# Allegro board balenaFin-PCB.brd (continued)
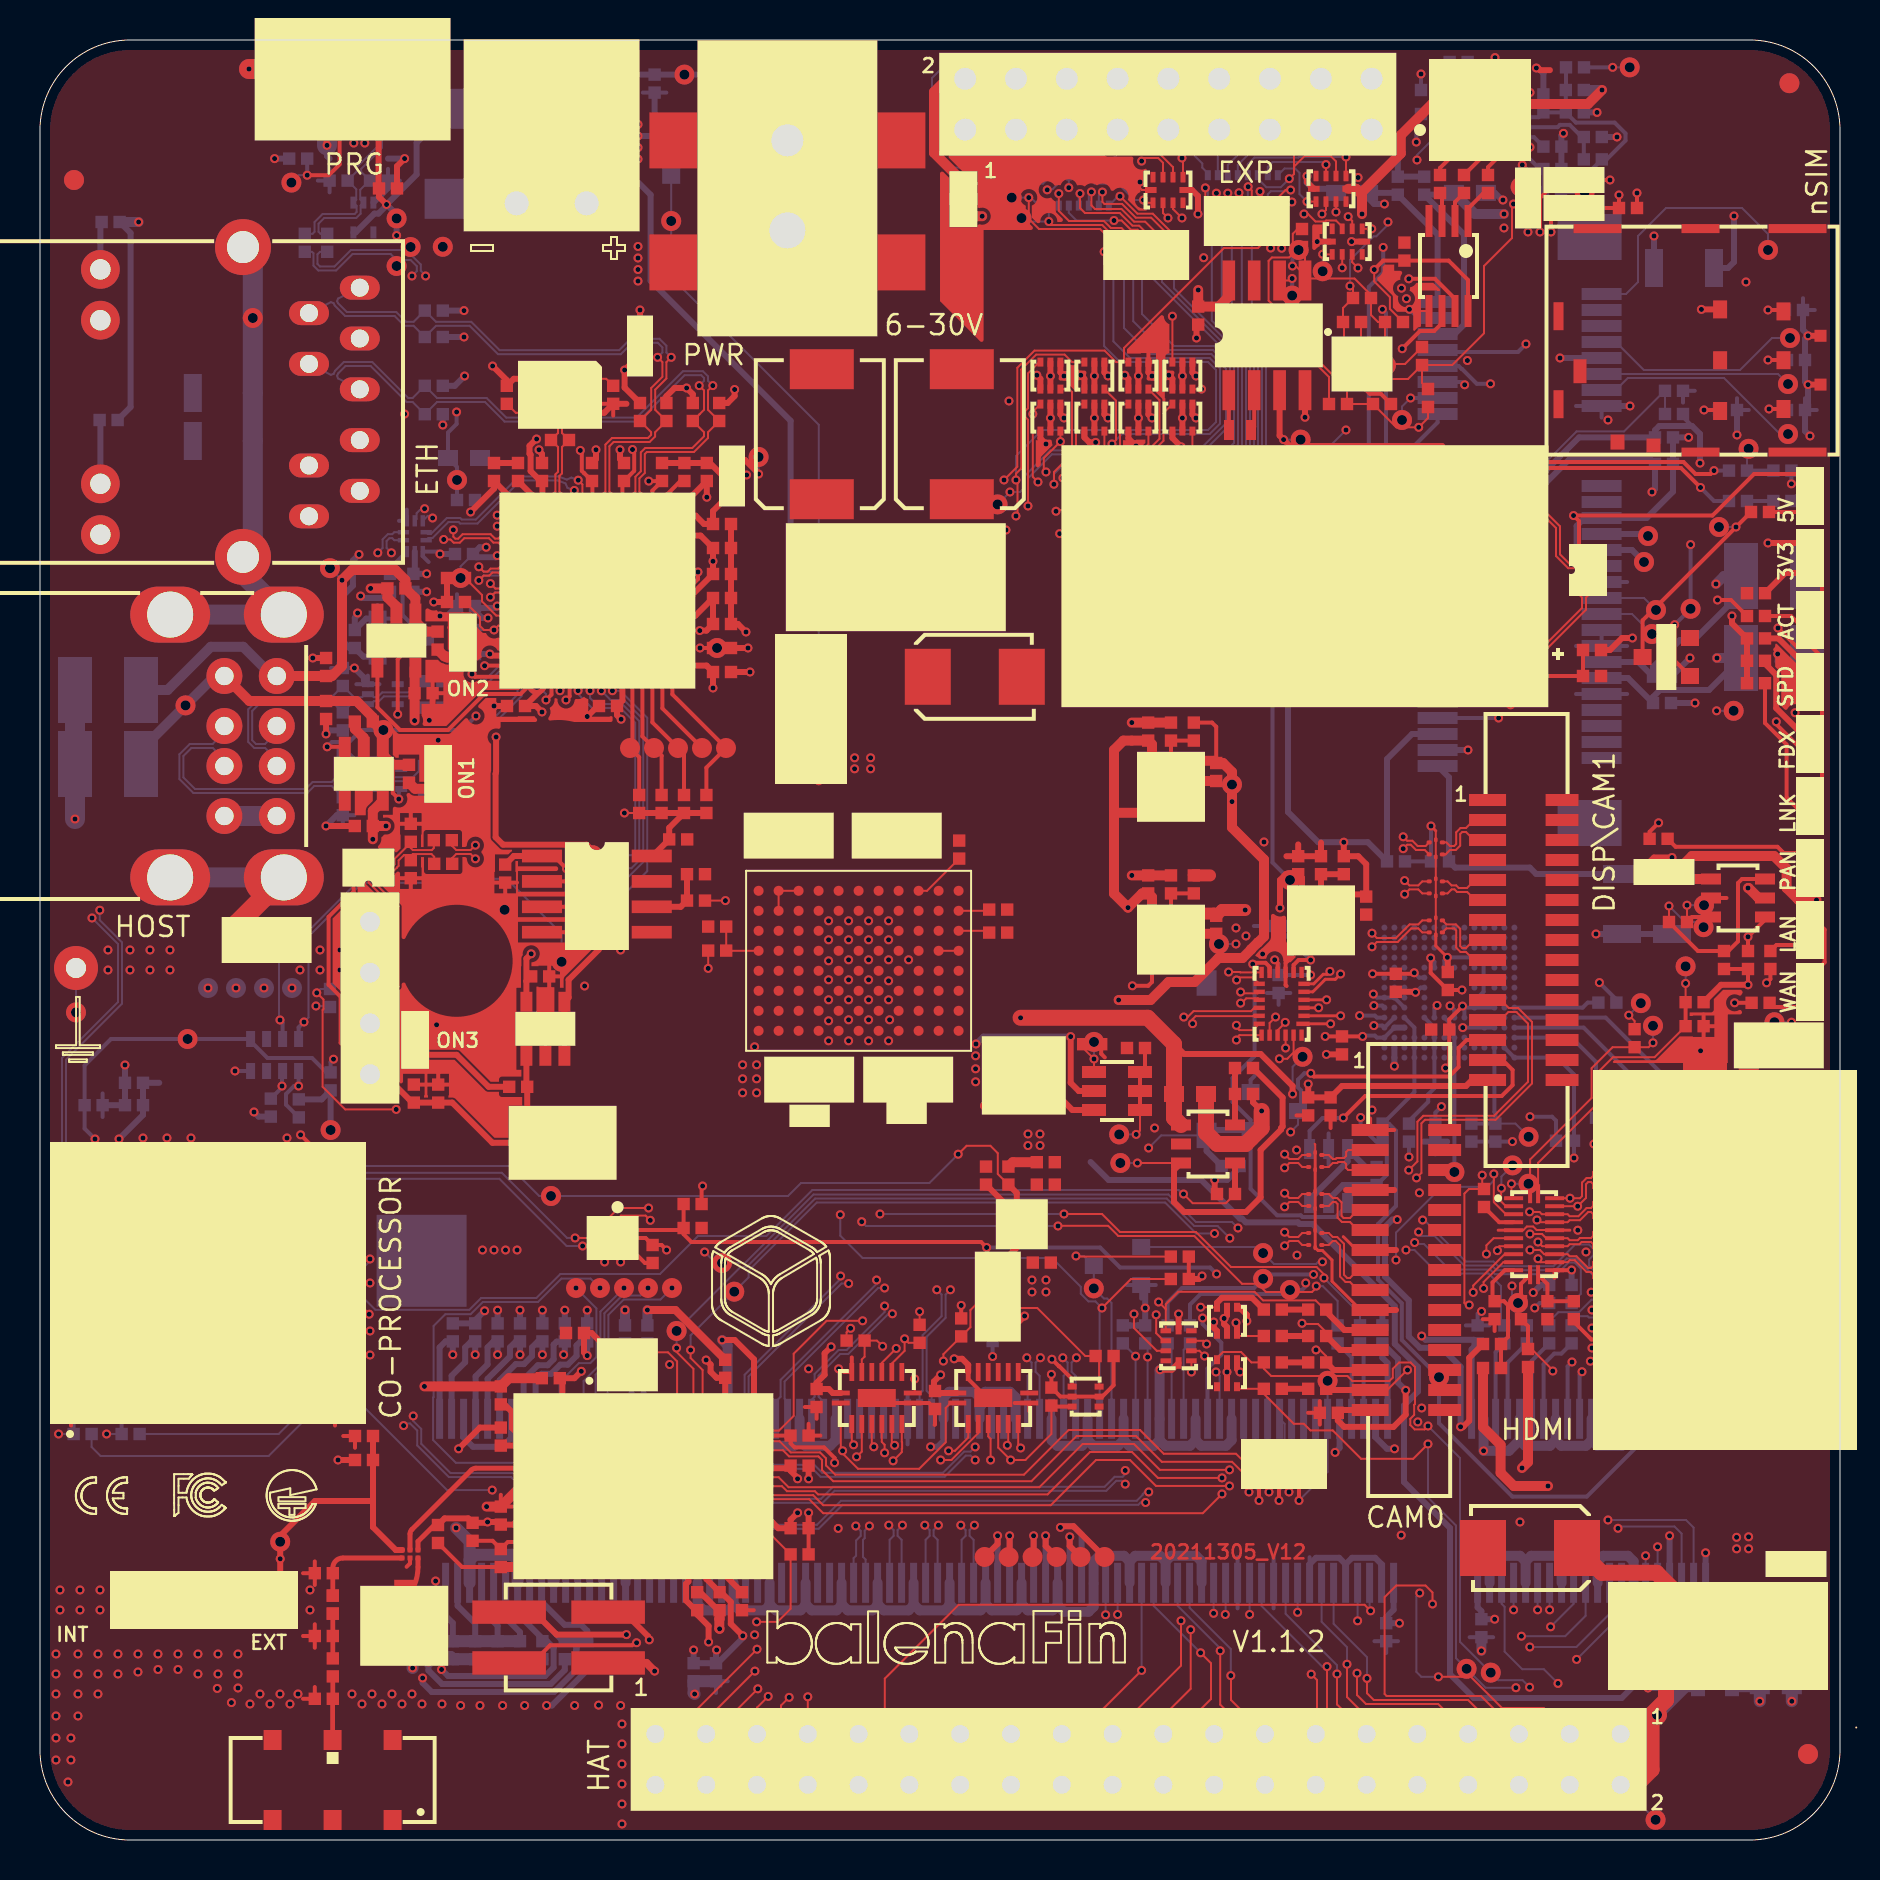
[diagram p0: board, top side]
## Footprints (pads in the part's own frame, mm; a bottom-side part is the same pattern mirrored in y, then rotated)
ANT-AH104N
  rect 0.9x1 smd: 1(-3,-2) 2(0,-2) 3(3,-2) 4(3,2) 5(0,2) 6(-3,2)
BAT-SMTU1225
  rect 2.6x3.5 smd: 1(-10.55,0) 2(10.55,0)
BGA-88-ROUND
  round 0.5 smd: A1(-3.5,5) A2(-2.5,5) A3(-1.5,5) A4(-0.5,5) A5(0.5,5) A6(1.5,5) A7(2.5,5) A8(3.5,5) B1(-3.5,4) B2(-2.5,4) B3(-1.5,4) B4(-0.5,4) B5(0.5,4) B6(1.5,4) B7(2.5,4) B8(3.5,4) C1(-3.5,3) C2(-2.5,3) C3(-1.5,3) C4(-0.5,3) C5(0.5,3) C6(1.5,3) C7(2.5,3) C8(3.5,3) D1(-3.5,2) D2(-2.5,2) D3(-1.5,2) D4(-0.5,2) D5(0.5,2) D6(1.5,2) D7(2.5,2) D8(3.5,2) E1(-3.5,1) E2(-2.5,1) E3(-1.5,1) E4(-0.5,1) E5(0.5,1) E6(1.5,1) E7(2.5,1) E8(3.5,1) F1(-3.5,0) F2(-2.5,0) F3(-1.5,0) F4(-0.5,0) F5(0.5,0) F6(1.5,0) F7(2.5,0) F8(3.5,0) G1(-3.5,-1) G2(-2.5,-1) G3(-1.5,-1) G4(-0.5,-1) G5(0.5,-1) G6(1.5,-1) G7(2.5,-1) G8(3.5,-1) H1(-3.5,-2) H2(-2.5,-2) H3(-1.5,-2) H4(-0.5,-2) H5(0.5,-2) H6(1.5,-2) H7(2.5,-2) H8(3.5,-2) J1(-3.5,-3) J2(-2.5,-3) J3(-1.5,-3) J4(-0.5,-3) J5(0.5,-3) J6(1.5,-3) J7(2.5,-3) J8(3.5,-3) K1(-3.5,-4) K2(-2.5,-4) K3(-1.5,-4) K4(-0.5,-4) K5(0.5,-4) K6(1.5,-4) K7(2.5,-4) K8(3.5,-4) L1(-3.5,-5) L2(-2.5,-5) L3(-1.5,-5) L4(-0.5,-5) L5(0.5,-5) L6(1.5,-5) L7(2.5,-5) L8(3.5,-5)
CS-C-0402
  rect 0.62x0.62 smd: 1(-0.45,0) 2(0.45,0)
CS-C-0603
  rect 1x0.8 smd: 1(-0.8,0) 2(0.8,0)
CS-C-1206
  rect 0.9x1.9 smd: 1(-1.5,0) 2(1.5,0)
CS-C-1210
  rect 1.7x3.3 smd: 1(-1.65,-0.1) 2(1.65,-0.1)
D-DO216AA
  rect 1.38x0.75 smd: 1(2.56,0)
  rect 2.32x2.03 smd: 2(0,0)
DSS-CHS-01TB
  rect 1x1.27 smd: 1(0,3.81) 2(0,-3.81)
EMI_FILTER
  rrect 0.2x0.26 smd: 1(-0.3,0.33) 2(0.3,0.33) 3(-0.3,-0.33) 4(0.3,-0.33)
  rrect 0.25x0.18 smd: 5(-0.43,0) 6(0.43,0)
F-LT154
  rect 4.24x3.81 smd: 1(-3.185,0) 2(3.185,0)
FIDUCIAL
  round 1 smd: 1(0,0)
FS-0603
  rect 0.7x1 smd: 1(-0.85,0) 2(0.85,0)
IC-LAN9514
  rect 0.69x0.28 smd: 1(-4.31,3.75) 2(-4.31,3.25) 3(-4.31,2.75) 4(-4.31,2.25) 5(-4.31,1.75) 6(-4.31,1.25) 7(-4.31,0.75) 8(-4.31,0.25) 9(-4.31,-0.25) 10(-4.31,-0.75) 11(-4.31,-1.25) 12(-4.31,-1.75) 13(-4.31,-2.25) 14(-4.31,-2.75) 15(-4.31,-3.25) 16(-4.31,-3.75) 33(4.31,-3.75) 34(4.31,-3.25) 35(4.31,-2.75) 36(4.31,-2.25) 37(4.31,-1.75) 38(4.31,-1.25) 39(4.31,-0.75) 40(4.31,-0.25) 41(4.31,0.25) 42(4.31,0.75) 43(4.31,1.25) 44(4.31,1.75) 45(4.31,2.25) 46(4.31,2.75) 47(4.31,3.25) 48(4.31,3.75)
  rect 0.28x0.69 smd: 17(-3.75,-4.31) 18(-3.25,-4.31) 19(-2.75,-4.31) 20(-2.25,-4.31) 21(-1.75,-4.31) 22(-1.25,-4.31) 23(-0.75,-4.31) 24(-0.25,-4.31) 25(0.25,-4.31) 26(0.75,-4.31) 27(1.25,-4.31) 28(1.75,-4.31) 29(2.25,-4.31) 30(2.75,-4.31) 31(3.25,-4.31) 32(3.75,-4.31) 49(3.75,4.31) 50(3.25,4.31) 51(2.75,4.31) 52(2.25,4.31) 53(1.75,4.31) 54(1.25,4.31) 55(0.75,4.31) 56(0.25,4.31) 57(-0.25,4.31) 58(-0.75,4.31) 59(-1.25,4.31) 60(-1.75,4.31) 61(-2.25,4.31) 62(-2.75,4.31) 63(-3.25,4.31) 64(-3.75,4.31)
  rect 7.3x7.3 smd: 65(0,0)
IC-LD39050
  rect 0.45x0.5 smd: 1(-0.95,-1.3) 2(0,-1.3) 3(0.95,-1.3) 4(0.95,1.3) 5(0,1.3) 6(-0.95,1.3)
  rect 2.5x1.75 smd: 7(0,0)
J-2-0350-MOT-MC
  rect 2.4x2.4 hole 1.2: 1(0,0)
  round 2.4 hole 1.2: 2(0,3.5)
J-2X2-0254-MDT-TSM
  rect 1.17x3.68 smd: 1(-1.27,-2.475) 2(-1.27,2.475) 3(1.27,-2.475) 4(1.27,2.475)
J-3-MDS-UFL
  rect 1x1.55 smd: 1(0,-1.525)
  rect 1.05x2.2 smd: 2(-1.475,0) 3(1.475,0)
J-4-0254-MDT
  rect 1.94x1.94 hole 1: 1(-2.54,0)
  round 1.94 hole 1: 2(0,0) 3(2.54,0) 4(5.08,0)
J-5-0065-FOS-MICROUSB10118192
  rect 0.4x1.35 smd: 1(-1.3,0.125) 2(-0.65,0.125) 3(0,0.125) 4(0.65,0.125) 5(1.3,0.125)
  rect 2.1x1.6 smd: 6(-3.05,0) 7(3.05,0)
  rect 1.9x1.9 smd: 8(-1.2,-2.55) 9(1.2,-2.55)
  rect 1.8x1.9 smd: 10(-3.8,-2.55) 11(3.8,-2.55)
J-8-0200-FOT-USB-A-2X
  round 1.8 hole 0.92: 1(3.5,2.62) 2(1,2.62) 3(-1,2.62) 4(-3.5,2.62) 5(3.5,0) 6(1,0) 7(-1,0) 8(-3.5,0)
  oval 2.8x4 hole 2.3: 9(6.57,5.33) 10(6.57,-0.35) 11(-6.57,-0.35) 12(-6.57,5.33)
J-9X2-0254-MDT
  rect 2.1x2.1 hole 1.1: 1(0,0)
  round 2.1 hole 1.1: 2(0,2.54) 3(2.54,0) 4(2.54,2.54) 5(5.08,0) 6(5.08,2.54) 7(7.62,0) 8(7.62,2.54) 9(10.16,0) 10(10.16,2.54) 11(12.7,0) 12(12.7,2.54) 13(15.24,0) 14(15.24,2.54) 15(17.78,0) 16(17.78,2.54) 17(20.32,0) 18(20.32,2.54)
J-15X2-0100-FDS-ZIF
  rect 0.6x1.85 smd: 1(7,1.85) 2(6,1.85) 3(5,1.85) 4(4,1.85) 5(3,1.85) 6(2,1.85) 7(1,1.85) 8(0,1.85) 9(-1,1.85) 10(-2,1.85) 11(-3,1.85) 12(-4,1.85) 13(-5,1.85) 14(-6,1.85) 15(-7,1.85)
  rect 0.6x1.65 smd: 16(-7,-1.875) 17(-6,-1.875) 18(-5,-1.875) 19(-4,-1.875) 20(-3,-1.875) 21(-2,-1.875) 22(-1,-1.875) 23(0,-1.875) 24(1,-1.875) 25(2,-1.875) 26(3,-1.875) 27(4,-1.875) 28(5,-1.875) 29(6,-1.875) 30(7,-1.875)
J-19-0050-FOS-HDMI-A-CNCTECH
  round 0 hole 1.3: (-4.5,0.9) (4.5,0.9)
  rect 0.33x2.82 smd: 1(4.5,6.71) 2(4,6.71) 3(3.5,6.71) 4(3,6.71) 5(2.5,6.71) 6(2,6.71) 7(1.5,6.71) 8(1,6.71) 9(0.5,6.71) 10(0,6.71) 11(-0.5,6.71) 12(-1,6.71) 13(-1.5,6.71) 14(-2,6.71) 15(-2.5,6.71) 16(-3,6.71) 17(-3.5,6.71) 18(-4,6.71) 19(-4.5,6.71)
  rect 2.75x2.2 smd: 21(-7.875,0) 22(7.875,0)
  rect 2.75x3 smd: 23(7.875,6) 24(-7.875,6)
J-20X2-0254-MDT
  rect 2.1x2.1 hole 0.9: 1(0,0)
  round 2.1 hole 0.9: 2(0,2.54) 3(2.54,0) 4(2.54,2.54) 5(5.08,0) 6(5.08,2.54) 7(7.62,0) 8(7.62,2.54) 9(10.16,0) 10(10.16,2.54) 11(12.7,0) 12(12.7,2.54) 13(15.24,0) 14(15.24,2.54) 15(17.78,0) 16(17.78,2.54) 17(20.32,0) 18(20.32,2.54) 19(22.86,0) 20(22.86,2.54) 21(25.4,0) 22(25.4,2.54) 23(27.94,0) 24(27.94,2.54) 25(30.48,0) 26(30.48,2.54) 27(33.02,0) 28(33.02,2.54) 29(35.56,0) 30(35.56,2.54) 31(38.1,0) 32(38.1,2.54) 33(40.64,0) 34(40.64,2.54) 35(43.18,0) 36(43.18,2.54) 37(45.72,0) 38(45.72,2.54) 39(48.26,0) 40(48.26,2.54)
J-26X2-0080-FOS-2041119
  rect 2.3x3.2 smd: (-14.85,-3.5) (14.45,-3.5)
  round 0 hole 1.6 unplated: (-12.7,0)
  round 0 hole 2.7 unplated: (-12.3,23.9) (-12.3,48.05) (12.3,23.9) (12.3,48.05)
  round 0 hole 1.1 unplated: (12.3,0)
  rect 0.6x2 smd: 1(-12,-4.1) 2(-11.6,4.1) 3(-11.2,-4.1) 4(-10.8,4.1) 5(-10.4,-4.1) 6(-10,4.1) 7(-9.6,-4.1) 8(-9.2,4.1) 9(-8.8,-4.1) 10(-8.4,4.1) 11(-8,-4.1) 12(-7.6,4.1) 13(-7.2,-4.1) 14(-6.8,4.1) 15(-6.4,-4.1) 16(-6,4.1) 17(-2.4,-4.1) 18(-2,4.1) 19(-1.6,-4.1) 20(-1.2,4.1) 21(-0.8,-4.1) 22(-0.4,4.1) 23(0,-4.1) 24(0.4,4.1) 25(0.8,-4.1) 26(1.2,4.1) 27(1.6,-4.1) 28(2,4.1) 29(2.4,-4.1) 30(2.8,4.1) 31(3.2,-4.1) 32(3.6,4.1) 33(4,-4.1) 34(4.4,4.1) 35(4.8,-4.1) 36(5.2,4.1) 37(5.6,-4.1) 38(6,4.1) 39(6.4,-4.1) 40(6.8,4.1) 41(7.2,-4.1) 42(7.6,4.1) 43(8,-4.1) 44(8.4,4.1) 45(8.8,-4.1) 46(9.2,4.1) 47(9.6,-4.1) 48(10,4.1) 49(10.4,-4.1) 50(10.8,4.1) 51(11.2,-4.1) 52(11.6,4.1)
J-200-0060-MOS-1473005-4
  round 0 hole 1.6 unplated: (-33.4,-0.1)
  rect 4.5x4.6 smd: (-32.55,11.9) (32.55,11.9)
  round 0 hole 1.1 unplated: (33.4,-0.1)
  rect 0.35x2 smd: 1(-31.65,-4.2) 2(-31.35,4) 3(-31.05,-4.2) 4(-30.75,4) 5(-30.45,-4.2) 6(-30.15,4) 7(-29.85,-4.2) 8(-29.55,4) 9(-29.25,-4.2) 10(-28.95,4) 11(-28.65,-4.2) 12(-28.35,4) 13(-28.05,-4.2) 14(-27.75,4) 15(-27.45,-4.2) 16(-27.15,4) 17(-26.85,-4.2) 18(-26.55,4) 19(-26.25,-4.2) 20(-25.95,4) 21(-25.65,-4.2) 22(-25.35,4) 23(-25.05,-4.2) 24(-24.75,4) 25(-24.45,-4.2) 26(-24.15,4) 27(-23.85,-4.2) 28(-23.55,4) 29(-23.25,-4.2) 30(-22.95,4) 31(-22.65,-4.2) 32(-22.35,4) 33(-22.05,-4.2) 34(-21.75,4) 35(-21.45,-4.2) 36(-21.15,4) 37(-20.85,-4.2) 38(-20.55,4) 39(-20.25,-4.2) 40(-19.95,4) 41(-16.05,-4.2) 42(-15.75,4) 43(-15.45,-4.2) 44(-15.15,4) 45(-14.85,-4.2) 46(-14.55,4) 47(-14.25,-4.2) 48(-13.95,4) 49(-13.65,-4.2) 50(-13.35,4) 51(-13.05,-4.2) 52(-12.75,4) 53(-12.45,-4.2) 54(-12.15,4) 55(-11.85,-4.2) 56(-11.55,4) 57(-11.25,-4.2) 58(-10.95,4) 59(-10.65,-4.2) 60(-10.35,4) 61(-10.05,-4.2) 62(-9.75,4) 63(-9.45,-4.2) 64(-9.15,4) 65(-8.85,-4.2) 66(-8.55,4) 67(-8.25,-4.2) 68(-7.95,4) 69(-7.65,-4.2) 70(-7.35,4) 71(-7.05,-4.2) 72(-6.75,4) 73(-6.45,-4.2) 74(-6.15,4) 75(-5.85,-4.2) 76(-5.55,4) 77(-5.25,-4.2) 78(-4.95,4) 79(-4.65,-4.2) 80(-4.35,4) 81(-4.05,-4.2) 82(-3.75,4) 83(-3.45,-4.2) 84(-3.15,4) 85(-2.85,-4.2) 86(-2.55,4) 87(-2.25,-4.2) 88(-1.95,4) 89(-1.65,-4.2) 90(-1.35,4) 91(-1.05,-4.2) 92(-0.75,4) 93(-0.45,-4.2) 94(-0.15,4) 95(0.15,-4.2) 96(0.45,4) 97(0.75,-4.2) 98(1.05,4) 99(1.35,-4.2) 100(1.65,4) 101(1.95,-4.2) 102(2.25,4) 103(2.55,-4.2) 104(2.85,4) 105(3.15,-4.2) 106(3.45,4) 107(3.75,-4.2) 108(4.05,4) 109(4.35,-4.2) 110(4.65,4) 111(4.95,-4.2) 112(5.25,4) 113(5.55,-4.2) 114(5.85,4) 115(6.15,-4.2) 116(6.45,4) 117(6.75,-4.2) 118(7.05,4) 119(7.35,-4.2) 120(7.65,4) 121(7.95,-4.2) 122(8.25,4) 123(8.55,-4.2) 124(8.85,4) 125(9.15,-4.2) 126(9.45,4) 127(9.75,-4.2) 128(10.05,4) 129(10.35,-4.2) 130(10.65,4) 131(10.95,-4.2) 132(11.25,4) 133(11.55,-4.2) 134(11.85,4) 135(12.15,-4.2) 136(12.45,4) 137(12.75,-4.2) 138(13.05,4) 139(13.35,-4.2) 140(13.65,4) 141(13.95,-4.2) 142(14.25,4) 143(14.55,-4.2) 144(14.85,4) 145(15.15,-4.2) 146(15.45,4) 147(15.75,-4.2) 148(16.05,4) 149(16.35,-4.2) 150(16.65,4) 151(16.95,-4.2) 152(17.25,4) 153(17.55,-4.2) 154(17.85,4) 155(18.15,-4.2) 156(18.45,4) 157(18.75,-4.2) 158(19.05,4) 159(19.35,-4.2) 160(19.65,4) 161(19.95,-4.2) 162(20.25,4) 163(20.55,-4.2) 164(20.85,4) 165(21.15,-4.2) 166(21.45,4) 167(21.75,-4.2) 168(22.05,4) 169(22.35,-4.2) 170(22.65,4) 171(22.95,-4.2) 172(23.25,4) 173(23.55,-4.2) 174(23.85,4) 175(24.15,-4.2) 176(24.45,4) 177(24.75,-4.2) 178(25.05,4) 179(25.35,-4.2) 180(25.65,4) 181(25.95,-4.2) 182(26.25,4) 183(26.55,-4.2) 184(26.85,4) 185(27.15,-4.2) 186(27.45,4) 187(27.75,-4.2) 188(28.05,4) 189(28.35,-4.2) 190(28.65,4) 191(28.95,-4.2) 192(29.25,4) 193(29.55,-4.2) 194(29.85,4) 195(30.15,-4.2) 196(30.45,4) 197(30.75,-4.2) 198(31.05,4) 199(31.35,-4.2) 200(31.65,4)
J-CUPJ002AH
  round 1.6 hole 1.6 unplated: (0,0)
  round 1.8 hole 1.8 unplated: (4.5,0)
  rect 2.8x2.4 smd: 1A(6.1,5.7) 1B(0,5.7) 2(0,-5.7) 3(6.1,-5.7)
J-NANOSIM-SF72S006VBA
  rect 0.9x0.7 smd: 1(2.99,-10.175) 2(0.55,-10.175) 3(-1.89,-10.175) 5(3.09,-7.005) 6(0.55,-7.005) 7(-1.99,-7.005)
  rect 0.45x2.9 smd: 8(-4.045,-10.875) 17(7.13,-10.875)
  rect 0.45x1.9 smd: 9(-4.045,-6.025) 16(7.13,-6.025)
  rect 0.7x0.7 smd: 10(-3.72,-3.675)
  rect 0.75x0.7 smd: 11(-3.545,-1.875)
  rect 1.4x0.5 smd: 12(-1.65,1.075) 14(2.75,1.075)
  rect 1.2x0.65 smd: 13(0,0)
  rect 0.45x2.4 smd: 15(7.13,-0.875)
  rect 0.6x0.6 smd: 18(1.77,-12.025) 19(-0.67,-12.025)
J-RJ45-7499410213
  round 0 hole 3.25 unplated: (-5.715,-10.89) (5.715,-10.89)
  oval 1.2x2 hole 0.9: 1(5.715,-19.78) 2(4.445,-17.24) 3(3.175,-19.78) 4(1.905,-17.24) 5(0.635,-19.78) 7(-1.905,-19.78) 8(-3.175,-17.24) 9(-4.445,-19.78) 10(-5.715,-17.24)
  round 1.94 hole 1.02: 11(6.63,-6.81) 12(4.09,-6.81) 13(-4.09,-6.81) 14(-6.63,-6.81)
  round 2.8 hole 1.6: 15(-7.745,-13.94) 16(7.745,-13.94)
LD-0603
  rect 0.8x0.8 smd: 1(-0.75,0) 2(0.75,0)
LD-PLCC6-GUIDAVLP
  round 0 hole 0.6: (-2.05,-2.05) (2.05,2.05)
  rect 0.5x1.6 smd: 1(-0.9,-1.475) 2(0,-1.475) 3(0.9,-1.475) 4(0.9,1.475) 5(0,1.475) 6(-0.9,1.475)
LS-0402
  rect 0.62x0.62 smd: 1(-0.45,0) 2(0.45,0)
LS-0603
  rect 1x0.8 smd: 1(-0.8,0) 2(0.8,0)
MOD-ARTIK-020
  rect 2.4x0.8 smd: 1(1.2,-0.85) 2(1.2,-2.05) 3(1.2,-3.25) 4(1.2,-4.45) 5(1.2,-5.65) 6(1.2,-6.85) 7(1.2,-8.05) 8(1.2,-9.25) 9(1.2,-10.45) 10(1.2,-11.65) 11(1.2,-12.85) 12(1.2,-14.05) 20(12.5,-14.05) 21(12.5,-12.85) 22(12.5,-11.65) 23(12.5,-10.45) 24(12.5,-9.25) 25(12.5,-8.05) 26(12.5,-6.85) 27(12.5,-5.65) 28(12.5,-4.45) 29(12.5,-3.25) 30(12.5,-2.05) 31(12.5,-0.85)
  rect 0.8x2.4 smd: 13(3.25,-14.2) 14(4.45,-14.2) 15(5.65,-14.2) 16(6.85,-14.2) 17(8.05,-14.2) 18(9.25,-14.2) 19(10.45,-14.2)
MOD-WYSBHVGXG
  round 1.2 smd: A1(-5.3,-3.6) A9(-5.3,3.6) M1(5.3,-3.6) M9(5.3,3.6)
  round 0.6 smd: A3(-4.95,-1.8) A4(-4.95,-0.9) A5(-4.95,0) A6(-4.95,0.9) A7(-4.95,1.8) B1(-4.05,-3.6) B2(-4.05,-2.7) B3(-4.05,-1.8) B4(-4.05,-0.9) B5(-4.05,0) B6(-4.05,0.9) B7(-4.05,1.8) B8(-4.05,2.7) B9(-4.05,3.6) C1(-3.15,-3.6) C2(-3.15,-2.7) C8(-3.15,2.7) C9(-3.15,3.6) D1(-2.25,-3.6) D2(-2.25,-2.7) D8(-2.25,2.7) D9(-2.25,3.6) E1(-1.35,-3.6) E2(-1.35,-2.7) E8(-1.35,2.7) E9(-1.35,3.6) F1(-0.45,-3.6) F2(-0.45,-2.7) F8(-0.45,2.7) F9(-0.45,3.6) G1(0.45,-3.6) G2(0.45,-2.7) G8(0.45,2.7) G9(0.45,3.6) H1(1.35,-3.6) H2(1.35,-2.7) H8(1.35,2.7) H9(1.35,3.6) J1(2.25,-3.6) J2(2.25,-2.7) J8(2.25,2.7) J9(2.25,3.6) K1(3.15,-3.6) K2(3.15,-2.7) K8(3.15,2.7) K9(3.15,3.6) L1(4.05,-3.6) L2(4.05,-2.7) L3(4.05,-1.8) L4(4.05,-0.9) L5(4.05,0) L6(4.05,0.9) L7(4.05,1.8) L8(4.05,2.7) L9(4.05,3.6) M3(4.95,-1.8) M4(4.95,-0.9) M5(4.95,0) M6(4.95,0.9) M7(4.95,1.8) N4(5.85,-0.9) N5(5.85,0)
  rect 3x1.6 smd: E4(-1.7,-1) E6(-1.7,1) H4(1.7,-1) H6(1.7,1)
MSOP8
  rect 1.6x0.35 smd: 1(-2.3,1) 2(-2.3,0.35) 3(-2.3,-0.3) 4(-2.3,-0.95) 5(2.2,-0.95) 6(2.2,-0.3) 7(2.2,0.35) 8(2.2,1)
POWERVDFN8-0330X0330
  rect 0.4x0.75 smd: 1(-0.975,-1.525) 2(-0.325,-1.525) 3(0.325,-1.525) 4(0.975,-1.525)
  rect 3.31x2.4 smd: 5(0,0.7)
QFN16-EXP-3X3
  rect 0.3x0.8 smd: 1(0.75,1.5) 2(0.25,1.5) 3(-0.25,1.5) 4(-0.75,1.5) 9(-0.75,-1.5) 10(-0.25,-1.5) 11(0.25,-1.5) 12(0.75,-1.5)
  rect 0.8x0.3 smd: 5(-1.5,0.75) 6(-1.5,0.25) 7(-1.5,-0.25) 8(-1.5,-0.75) 13(1.5,-0.75) 14(1.5,-0.25) 15(1.5,0.25) 16(1.5,0.75)
  rect 1.5x1.5 smd: 17(0,0)
RR-8X-1506
  rect 0.3x0.5 smd: 1(-1.75,-0.75) 2(-1.25,-0.75) 3(-0.75,-0.75) 4(-0.25,-0.75) 5(0.25,-0.75) 6(0.75,-0.75) 7(1.25,-0.75) 8(1.75,-0.75) 9(1.75,0.75) 10(1.25,0.75) 11(0.75,0.75) 12(0.25,0.75) 13(-0.25,0.75) 14(-0.75,0.75) 15(-1.25,0.75) 16(-1.75,0.75)
RR-1206
  rect 0.45x0.8 smd: 1(0,0) 2(0.8,0) 3(1.6,0) 4(2.4,0) 5(2.4,1.6) 6(1.6,1.6) 7(0.8,1.6) 8(0,1.6)
RS-0402
  rect 0.62x0.62 smd: 1(-0.45,0) 2(0.45,0)
RS-0603
  rect 1x0.8 smd: 1(-0.8,0) 2(0.8,0)
RS-1206
  rect 0.9x1.9 smd: 1(-1.5,0) 2(1.5,0)
SMA
  rect 2x2.6 smd: 1(0,0) 2(4.5,0)
SMB
  rect 2.3x2.8 smd: 1(0,0) 2(4.7,0)
SMC
  rect 2x3.2 smd: 1(-3.25,0) 2(3.25,0)
SOIC8
  rect 0.635x2.003 smd: 1(0,0) 2(1.27,0) 3(2.54,0) 4(3.81,0) 5(3.81,5.486) 6(2.54,5.486) 7(1.27,5.486) 8(0,5.486)
SOP5
  rect 0.6x0.3 smd: 1(-0.75,0.5) 2(-0.75,0) 3(-0.75,-0.5) 4(0.74,-0.5) 5(0.74,0.5)
SOT23
  rect 0.9x0.8 smd: 1(0,0) 2(0,1.9) 3(-2.37,0.95)
SOT23-5
  rect 0.6x1 smd: 1(0,0) 2(0.95,0) 3(1.9,0) 4(1.9,2.7) 5(0,2.7)
SOT23-6-DBV
  rect 0.55x1 smd: 1(-0.95,-1.35) 2(0,-1.35) 3(0.95,-1.35) 4(0.95,1.35) 5(0,1.35) 6(-0.95,1.35)
SOT23-6L
  rect 0.6x1.2 smd: 1(0,0) 2(0.95,0) 3(1.9,0) 4(1.9,2.3) 5(0.95,2.3) 6(0,2.3)
SOT363
  rect 0.6x0.6 smd: 1(-0.9,0.75) 3(-0.9,-0.75) 4(0.9,-0.75) 6(0.9,0.75)
  rect 0.6x0.4 smd: 2(-0.9,0) 5(0.9,0)
SOT563
  rect 0.3x0.45 smd: 1(-0.5,-0.675) 2(0,-0.675) 3(0.5,-0.675) 4(0.5,0.675) 5(0,0.675) 6(-0.5,0.675)
TPS-0100
  round 1 smd: 1(0,0)
TPT-0100
  round 2.2 hole 1: 1(0,0)
UFDFN8-EXP-0210X0160
  rect 0.3x0.6 smd: 1(-0.75,-0.725) 2(-0.25,-0.725) 3(0.25,-0.725) 4(0.75,-0.725) 5(0.75,0.725) 6(0.25,0.725) 7(-0.25,0.725) 8(-0.75,0.725)
  rect 1.75x0.45 smd: 9(0,0)
UFQFN10
  rect 0.25x0.53 smd: 1(0.75,0.64) 2(0.25,0.64) 3(-0.25,0.64) 4(-0.75,0.64) 6(-0.75,-0.64) 7(-0.25,-0.64) 8(0.25,-0.64) 9(0.75,-0.64)
  rect 0.58x0.3 smd: 5(-0.86,0) 10(0.86,0)
UFQFN24-4X2
  rect 0.2x0.95 smd: 1(-1.8,-1.025) 2(-1.4,-1.025) 3(-1,-1.025) 4(-0.6,-1.025) 5(-0.2,-1.025) 6(0.2,-1.025) 7(0.6,-1.025) 8(1,-1.025) 9(1.4,-1.025) 10(1.8,-1.025) 13(1.8,1.025) 14(1.4,1.025) 15(1,1.025) 16(0.6,1.025) 17(0.2,1.025) 18(-0.2,1.025) 19(-0.6,1.025) 20(-1,1.025) 21(-1.4,1.025) 22(-1.8,1.025)
  rect 0.95x0.2 smd: 11(2.025,-0.2) 12(2.025,0.2) 23(-2.025,0.2) 24(-2.025,-0.2)
UFQFN24-0250X0340
  rect 0.663x0.225 smd: 1(-1.069,1)
  rect 0.563x0.225 smd: 2(-1.119,0.6) 3(-1.119,0.2) 4(-1.119,-0.2) 5(-1.119,-0.6) 6(-1.119,-1) 13(1.119,-1) 14(1.119,-0.6) 15(1.119,-0.2) 16(1.119,0.2) 17(1.119,0.6) 18(1.119,1)
  rect 0.225x0.563 smd: 7(-1,-1.569) 8(-0.6,-1.569) 9(-0.2,-1.569) 10(0.2,-1.569) 11(0.6,-1.569) 12(1,-1.569) 19(1,1.569) 20(0.6,1.569) 21(0.2,1.569) 22(-0.2,1.569) 23(-0.6,1.569) 24(-1,1.569)
UMLP10
  rect 0.563x0.225 smd: 1(-0.569,0.2) 2(-0.569,-0.2) 6(0.569,-0.2) 7(0.569,0.2)
  rect 0.225x0.563 smd: 3(-0.4,-0.768) 4(0,-0.768) 5(0.4,-0.768) 8(0.4,0.768) 9(0,0.768) 10(-0.4,0.768)
unnamed#2
  round 0 hole 2.7 unplated: (0,0)
unnamed#3
  round 0 hole 3.3 unplated: (0,0)
unnamed#4
  round 0 hole 2.2 unplated: (0,0)
VFBGA153
  round 0.3 smd: A1(-3.25,3.25) A2(-2.75,3.25) A3(-2.25,3.25) A4(-1.75,3.25) A5(-1.25,3.25) A6(-0.75,3.25) A7(-0.25,3.25) A8(0.25,3.25) A9(0.75,3.25) A10(1.25,3.25) A11(1.75,3.25) A12(2.25,3.25) A13(2.75,3.25) A14(3.25,3.25) B1(-3.25,2.75) B2(-2.75,2.75) B3(-2.25,2.75) B4(-1.75,2.75) B5(-1.25,2.75) B6(-0.75,2.75) B7(-0.25,2.75) B8(0.25,2.75) B9(0.75,2.75) B10(1.25,2.75) B11(1.75,2.75) B12(2.25,2.75) B13(2.75,2.75) B14(3.25,2.75) C1(-3.25,2.25) C2(-2.75,2.25) C3(-2.25,2.25) C4(-1.75,2.25) C5(-1.25,2.25) C6(-0.75,2.25) C7(-0.25,2.25) C8(0.25,2.25) C9(0.75,2.25) C10(1.25,2.25) C11(1.75,2.25) C12(2.25,2.25) C13(2.75,2.25) C14(3.25,2.25) D1(-3.25,1.75) D2(-2.75,1.75) D3(-2.25,1.75) D4(-1.75,1.75) D12(2.25,1.75) D13(2.75,1.75) D14(3.25,1.75) E1(-3.25,1.25) E2(-2.75,1.25) E3(-2.25,1.25) E5(-1.25,1.25) E6(-0.75,1.25) E7(-0.25,1.25) E8(0.25,1.25) E9(0.75,1.25) E10(1.25,1.25) E12(2.25,1.25) E13(2.75,1.25) E14(3.25,1.25) F1(-3.25,0.75) F2(-2.75,0.75) F3(-2.25,0.75) F5(-1.25,0.75) F10(1.25,0.75) F12(2.25,0.75) F13(2.75,0.75) F14(3.25,0.75) G1(-3.25,0.25) G2(-2.75,0.25) G3(-2.25,0.25) G5(-1.25,0.25) G10(1.25,0.25) G12(2.25,0.25) G13(2.75,0.25) G14(3.25,0.25) H1(-3.25,-0.25) H2(-2.75,-0.25) H3(-2.25,-0.25) H5(-1.25,-0.25) H10(1.25,-0.25) H12(2.25,-0.25) H13(2.75,-0.25) H14(3.25,-0.25) J1(-3.25,-0.75) J2(-2.75,-0.75) J3(-2.25,-0.75) J5(-1.25,-0.75) J10(1.25,-0.75) J12(2.25,-0.75) J13(2.75,-0.75) J14(3.25,-0.75) K1(-3.25,-1.25) K2(-2.75,-1.25) K3(-2.25,-1.25) K5(-1.25,-1.25) K6(-0.75,-1.25) K7(-0.25,-1.25) K8(0.25,-1.25) K9(0.75,-1.25) K10(1.25,-1.25) K12(2.25,-1.25) K13(2.75,-1.25) K14(3.25,-1.25) L1(-3.25,-1.75) L2(-2.75,-1.75) L3(-2.25,-1.75) L12(2.25,-1.75) L13(2.75,-1.75) L14(3.25,-1.75) M1(-3.25,-2.25) M2(-2.75,-2.25) M3(-2.25,-2.25) M4(-1.75,-2.25) M5(-1.25,-2.25) M6(-0.75,-2.25) M7(-0.25,-2.25) M8(0.25,-2.25) M9(0.75,-2.25) M10(1.25,-2.25) M11(1.75,-2.25) M12(2.25,-2.25) M13(2.75,-2.25) M14(3.25,-2.25) N1(-3.25,-2.75) N2(-2.75,-2.75) N3(-2.25,-2.75) N4(-1.75,-2.75) N5(-1.25,-2.75) N6(-0.75,-2.75) N7(-0.25,-2.75) N8(0.25,-2.75) N9(0.75,-2.75) N10(1.25,-2.75) N11(1.75,-2.75) N12(2.25,-2.75) N13(2.75,-2.75) N14(3.25,-2.75) P1(-3.25,-3.25) P2(-2.75,-3.25) P3(-2.25,-3.25) P4(-1.75,-3.25) P5(-1.25,-3.25) P6(-0.75,-3.25) P7(-0.25,-3.25) P8(0.25,-3.25) P9(0.75,-3.25) P10(1.25,-3.25) P11(1.75,-3.25) P12(2.25,-3.25) P13(2.75,-3.25) P14(3.25,-3.25)
VFQFN16-EXP-0250X0300
  rect 0.9x0.24 smd: 1(-1.8,-0.25) 8(1.8,-0.25) 9(1.8,0.25) 16(-1.8,0.25)
  rect 0.24x0.9 smd: 2(-1.25,-1.3) 3(-0.75,-1.3) 4(-0.25,-1.3) 5(0.25,-1.3) 6(0.75,-1.3) 7(1.25,-1.3) 10(1.25,1.3) 11(0.75,1.3) 12(0.25,1.3) 13(-0.25,1.3) 14(-0.75,1.3) 15(-1.25,1.3)
  rect 1.9x0.9 smd: 17(0,0)
XFDFN6
  rect 0.25x0.25 smd: 1(0.4,0.2) 2(0,0.2) 3(-0.4,0.2) 4(-0.4,-0.2) 5(0,-0.2) 6(0.4,-0.2)
Y-ABM8G
  rect 1.4x1.15 smd: 1(-1.1,-0.8) 2(1.1,-0.8) 3(1.1,0.9) 4(-1.1,0.9)
Y-ABS05
  rect 0.5x1 smd: 1(-0.55,0) 2(0.55,0)
Y-NZ2520S
  rect 1x1 smd: 1(-0.825,-0.625) 2(0.825,-0.625) 3(0.825,0.625) 4(-0.825,0.625)

## Nets
3V3_HAT: F3.2 J18.1 J18.17 TVS15.1(C)
5V_HAT: F4.1 J18.2 J18.4 TVS16.1(C)
5V_HOST1: C64.1 C70.1 C234.1 J11.1 R210.2 TVS3.5(VCC) U10.1(OUT)
5V_HOST2: C76.1 C79.1 C232.1 J11.5(VCCB) R211.2 TVS4.5(VCC) U12.1(OUT)
5V_HOST_INT: C236.1 C239.1 C240.1 J23.1 R294.2 TVS19.5(VCC) U28.1(OUT)
+1V5: C42.1 C115.2 C117.1 C120.1 C123.1 J19.6 J19.28 J19.48 R49.2 U6.4(VOUT)
+1V8: C13.2 C14.1 C15.2 C16.1 C39.1 C231.1 J2.183 J2.184 J2.185 J2.186 R21.2 R22.2 R42.2 U5.4(VOUT) Y5.4(VCC)
+1V8_CORE: C182.1 C183.2 C184.1 U22.15 U22.38
+1V8_ETHPLL: C186.1 L21.2 U22.48
+1V8_USBPLL: C185.2 L21.1 U22.62
+1V8_WIFI: C194.2 C195.2 C196.2 C197.2 C198.2 MOD1.B2 MOD1.C9 MOD1.J9 MOD1.L1 MOD1.L9
+2V8: C17.2 C18.1 C27.1 J2.189 J2.190 R35.2 U2.4(VOUT)
+3V3: C1.1 C2.1 C4.2 C5.1 C6.2 C7.1 C11.1 C12.1 C19.2 C20.1 C21.2 C22.1 C23.2 C24.1 C25.2 C26.1 C28.1 C40.1 C43.1 C61.1 C85.1 C109.2 C110.2 C111.2 C112.2 C113.1 C116.2 C118.1 C119.1 C121.2 C122.2 C124.1 C140.1 C149.1 C177.1 C178.1 C179.1 C180.1 C181.1 C189.2 C190.2 C191.2 C192.2 C193.2 C205.2 C206.2 C207.1 C208.1 C209.1 C210.2 C241.1 C243.1 C244.1 C245.1 DS1.2 DS1.5(C2) DS4.2 DS4.5(C2) DS5.2 DS5.5(C2) F3.1 J2.4 J2.6 J2.39 J2.40 J2.41 J2.42 J2.191 J2.192 J2.193 J2.194 J2.197 J2.198 J2.199 J2.200 J3.15 J10.15 J19.2 J19.24 J19.39 J19.41 J19.52 L20.1 MOD1.A4(VIO_SD) MOD1.A7 MOD1.B1 MOD1.D9 MOD1.M6 Q16.2 Q18.2 Q18.5 Q20.2 R2.2 R4.2 R5.2 R113.1 R133.2 R134.2 R135.2 R136.2 R137.2 R138.2 R169.2 R182.2 R184.1 R203.2 R205.2 R206.2 R207.2 R208.2 R209.2 R212.2 R219.1 R220.1 R235.2 R240.2 R245.1 R246.2 R248.2 R267.1 R271.2 R273.2 R274.2 R282.1 R283.2 R297.2 R316.2 R317.1 R318.1 R319.1 RR15.12 RR15.13 RR15.14 RR15.15 RR15.16 TVS2.10(VCC) U2.1 U2.6 U5.1 U5.6 U6.1 U6.6 U13.9 U17.C6 U17.E6 U17.F5 U17.J10 U17.K9 U17.M4 U17.N4 U17.P3 U17.P5 U19.8 U20.7 U20.8(VOUT#8) U22.19 U22.27 U22.33 U22.39 U22.40 U22.46 U26.4(VDD) U29.9 U31.10(VCC) U32.16(VCC) U33.16(VCC)
+3V3_A: C170.2 C171.2 C172.2 C173.2 C174.2 C175.2 C176.2 L20.2 R162.2 R163.2 R164.2 R165.2 R200.2 U22.5 U22.10 U22.49 U22.51 U22.54 U22.57 U22.64
+3V3_LED: LD5.2 LD9.2 LD10.2 LD11.2 LD17.2 Q16.4 R174.2 R175.2 R177.2 R267.2 R307.2 R308.1
+3V3_ON: C92.1 C93.1 C150.1 C151.1 C230.1 C242.1 C247.1 DS7.2 DS7.5(C2) DS8.2 DS8.5(C2) DS9.2 DS9.5(C2) DS10.2 DS10.5(C2) DS25.2 DS25.5(C2) DS26.2 DS26.5(C2) DS27.2 DS27.5(C2) DS28.2 DS28.5(C2) F2.2 MOD2.29(VDD) R118.2 R128.2 R180.2 R183.1 R236.2 R288.2 R289.1 TP84.1(TP) TVS6.10(VCC) TVS7.10(VCC) TVS18.10(VCC) U20.1 U20.2 U30.8 U34.J6 U34.J7 U34.J8 U34.K6 U34.K7 U34.K8 U34.L6 U34.L7 U34.L8(VOUT2_L8)
+5V: C114.1 C188.1 DS32.2 F4.2 LD4.2 LD8.4 LD8.5 LD8.6 Q14.1 Q14.2 Q14.3(S_3) Q15.5(E2) Q17.2 R244.1 R253.2 R268.1 R272.2 TVS17.5(VCC) U23.8
+5V_DEV: C63.1 C75.1 C235.1 Q17.4 R243.1 R268.2 U10.5 U12.5 U28.5
+5V_INT: C227.1 C246.1 Q14.5 Q15.6 U34.A6 U34.A7 U34.A8 U34.B6 U34.B7 U34.B8 U34.C6 U34.C7 U34.C8
+5V_USB_DBG: C88.1 DS33.2 J13.1(VCC) Q6.1 R116.2 R237.2 TVS5.5(VCC)
GND_DIGITAL: BAT1.2(-) C1.2 C2.2 C3.2 C4.1 C5.2 C6.1 C7.2 C8.1 C9.2 C10.2 C11.2 C12.2 C13.1 C14.2 C15.1 C16.2 C17.1 C18.2 C19.1 C20.2 C21.1 C22.2 C23.1 C24.2 C25.1 C26.2 C27.2 C28.2 C39.2 C40.2 C42.2 C43.2 C60.2 C61.2 C63.2 C64.2 C68.2 C69.2 C70.2 C71.1 C75.2 C76.2 C77.2 C78.2 C79.2 C85.2 C86.2 C87.2 C88.2 C89.1 C91.2 C92.2 C93.2 C107.1 C108.1 C109.1 C110.1 C111.1 C112.1 C113.2 C114.2 C115.1 C116.1 C117.2 C118.2 C119.2 C120.2 C121.1 C122.1 C123.2 C124.2 C134.1 C135.2 C136.2 C137.2 C138.2 C139.2 C140.2 C147.2 C148.2 C149.2 C150.2 C151.2 C152.2 C153.2 C154.2 C155.2 C156.2 C170.1 C171.1 C172.1 C173.1 C174.1 C175.1 C176.1 C177.2 C178.2 C179.2 C180.2 C181.2 C182.2 C183.1 C184.2 C185.1 C186.2 C187.1 C188.2 C189.1 C190.1 C191.1 C192.1 C193.1 C194.1 C195.1 C196.1 C197.1 C198.1 C199.1 C201.2 C204.2 C205.1 C206.1 C207.2 C208.2 C209.2 C210.1 C211.2 C222.2 C224.2 C227.2 C230.2 C231.2 C232.2 C234.2 C235.2 C236.2 C237.2 C238.2 C239.2 C240.2 C241.2 C242.2 C243.2 C244.2 C245.2 C246.2 C247.2 DS1.1 DS1.4 DS4.1 DS4.4 DS5.1 DS5.4 DS7.1 DS7.4 DS8.1 DS8.4 DS9.1 DS9.4 DS10.1 DS10.4 DS25.1 DS25.4 DS26.1 DS26.4 DS27.1 DS27.4 DS28.1 DS28.4 DSW1.1 DSW2.1 J1.2 J1.5 J1.8 J1.11 J1.17 J2.1 J2.7 J2.8 J2.13 J2.14 J2.19 J2.20 J2.25 J2.26 J2.31 J2.32 J2.37 J2.38 J2.43 J2.44 J2.49 J2.50 J2.55 J2.56 J2.61 J2.62 J2.67 J2.68 J2.73 J2.74 J2.79 J2.80 J2.85 J2.86 J2.91 J2.92 J2.97 J2.98 J2.103 J2.104 J2.109 J2.110 J2.115 J2.116 J2.121 J2.122 J2.127 J2.133 J2.134 J2.139 J2.140 J2.145 J2.146 J2.151 J2.152 J2.157 J2.163 J2.164 J2.169 J2.170 J2.181 J2.182 J2.187 J2.188 J2.195 J2.196 J3.1 J3.4 J3.7 J3.10 J7.2 J7.3(NC) J9.2 J9.3 J10.1 J10.4 J10.7 J10.10 J11.4 J11.8 J13.5 J14.17 J18.6 J18.9 J18.14 J18.20 J18.25 J18.30 J18.34 J18.39 J19.4 J19.9 J19.15 J19.18 J19.21 J19.26 J19.27 J19.29 J19.34 J19.35 J19.37 J19.40 J19.43 J19.50 J21.2 J22.5 J22.8 J22.9 J22.10 J22.11 J22.12 J22.14 J22.15 J22.16 J22.17 J22.18 J22.19 J23.4 L2.5 L2.6 L3.5 L3.6 L4.5 L4.6 L10.1(C) L11.5 L11.6 L12.5 L12.6 L13.5 L13.6 LD15.1(C) LD16.1(C) LD18.1(C) MOD1.A1 MOD1.A9 MOD1.B5 MOD1.E4 MOD1.E6 MOD1.E9 MOD1.F1 MOD1.F8 MOD1.G8 MOD1.H4 MOD1.H6 MOD1.H9 MOD1.M1 MOD1.M3 MOD1.M4 MOD1.M5 MOD1.M9 MOD1.N5 MOD2.1 MOD2.12 MOD2.20 MOD2.31 Q1.2(S) Q3.2(S) Q6.2(S) Q13.2(S) Q16.5(S2) Q17.5(S2) Q20.5(S2) Q21.2(S) R7.1 R10.1 R18.1 R20.1 R28.2 R29.2 R32.1 R37.1 R46.1 R52.1 R67.1 R96.1 R116.1 R117.1 R132.2 R139.1 R140.1 R153.1 R170.1 R171.1 R201.2 R202.2 R218.1 R221.1 R222.1 R229.1 R231.1 R232.1 R247.1 R252.1 R254.1 R260.1 R262.1 R263.2 R264.1 R275.1 R298.1 R309.1 RR15.11 TP21.1(TP) TVS1.2 TVS2.5 TVS3.3 TVS4.3 TVS5.3 TVS6.5 TVS7.5 TVS15.2 TVS16.2 TVS17.3 TVS18.5 TVS19.3 U1.5 U1.13 U1.18 U2.2 U2.7 U5.2 U5.7 U6.2 U6.7 U10.2 U12.2 U13.3 U13.8(\\O\E\) U17.C4 U17.D4 U17.E7 U17.G5 U17.H10 U17.K8 U17.N1 U17.N2 U17.N5 U17.P4 U17.P6(VSSQ#P6) U19.5(VSS) U20.9 U22.34 U22.44 U22.65 U23.4 U25.6(VSS) U25.17 U26.2 U28.2 U29.3 U29.8(\\O\E\) U30.5(VSS) U31.9 U32.8 U32.15 U32.17 U33.8 U33.15 U33.17 U34.A1 U34.A5 U34.B5 U34.C4 U34.C5 U34.D2 U34.D3 U34.D4 U34.D5 U34.D6 U34.D7 U34.D8 U34.E2 U34.E3 U34.E4 U34.E5 U34.E6 U34.E7 U34.E8 U34.F2 U34.F3 U34.F4 U34.F5 U34.F6 U34.F7 U34.F8 U34.G2 U34.G3 U34.G4 U34.G5 U34.G6 U34.G7 U34.G8 U34.H2 U34.H3 U34.H4 U34.H5 U34.H6 U34.H7 U34.H8 U34.J2 U34.J3 U34.J4 U34.J5 U34.K5 U34.L1 U34.L5 Y2.2 Y2.4 Y5.2
GND_EARTH: C71.2 C134.2 J11.9 J11.10 J11.11 J11.12 J20.15 J20.16 R96.2
VDDM: C107.2 C108.2 U17.C1 U17.C2
VIN_CON: DS2.2 J21.1
VIN_JACK: DS3.2 J7.1A J7.1B
+VALIM: C222.1 C224.1 F1.2 TVS1.1(C) U34.D1 U34.E1 U34.F1 U34.G1 U34.H1 U34.J1 U34.K1 U34.K2
ARTIK-RX_CM3-TX: MOD2.23 U29.5
ARTIK-TX_CM3-RX: MOD2.24 U29.4
BT_PCM_CLK: MOD1.C1 R7.2 U33.6
BT_PCM_CLK_I2C_SDA: R8.2 U33.7
BT_PCM_IN: MOD1.D1 R12.2
BT_PCM_OUT: MOD1.C2 R11.2
BT_PCM_SYNC: MOD1.D2 R10.2 U33.3
BT_PCM_SYNC_I2C_SCL: R9.2 U33.4
CAM0_CN: J2.144 U31.14
CAM0_CP: J2.142 U31.15
CAM0_DN0: J2.138 U31.12
CAM0_DN1: J2.150 U31.16
CAM0_DP0: J2.136 U31.13
CAM0_DP1: J2.148 U31.17
CAM0_SCL: DS1.3 R24.2 R319.2 U33.2
CAM0_SCL_EXT: R23.1 TVS2.8 U32.14
CAM0_SDA: DS1.6 R26.2 R318.2 U33.5
CAM0_SDA_EXT: R25.1 TVS2.7 U32.11